# Altium PCB Netscale48HD_Sensorbar_Slave.PcbDoc (part 3 of 3)
Units mm, origin at the board's own origin, x right, y up, seen from the top; angles counter-clockwise.
Board outline 461.31 x 16.8 mm, 6 copper layers (Top Layer, PWR_Layer, Top_Signal_Layer, Bottom_Signal_Layer, GND_Layer, Bottom Layer), stack 0.778 mm thick; 214 components, 131 nets, 657 pads, 295 vias.
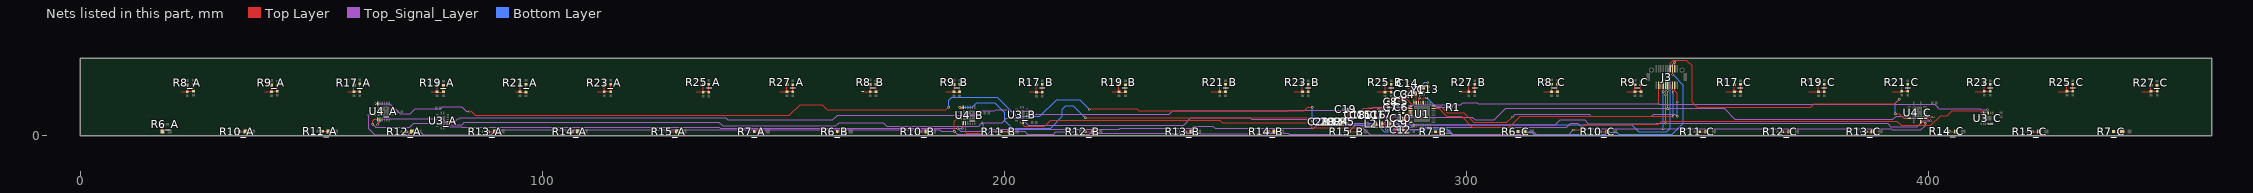
[diagram p7: the nets of this part, all layers, seen from the top]

## Via types
v1: diameter 0.5, hole 0.3, Top Layer to Bottom Layer, tented both sides, 239 vias
v2: diameter 0.6, hole 0.3, Top Layer to Bottom Layer, tented both sides, 24 vias
v3: diameter 0.55, hole 0.3, Top Layer to Bottom Layer, tented both sides, 23 vias
v4: diameter 0.55, hole 0.3, Top Layer to Bottom Layer, tented bottom, 9 vias

## Nets (pads, with @x,y where several pads share a name; then routed paths per layer and width w, separated by ;. In a path a pad name is that pad's centre, name@x,y a point inside that pad or via, vN(x,y) a via of type N, cw(c..) or ccw(c..) an arc to the next point about the centre after c; other vN are vias at no path point) (continued)
LedDataIn_C: U3_B.9 U3_C.14 | length 214.4
  Top Layer w0.152: U3_B.9@204.048,2.923 204.048,2.324 204.251,2.122 208.76,2.122 210.04,3.401 246.591,3.401 247.157,2.835 265.443,2.835 266.47,1.808 v1(277.476,1.808) ; v1(323.118,1.29) 324.507,1.29 325.738,2.521 341.53,2.521 342.226,3.218 393.189,3.218 394.12,2.287 400.532,2.287 402.631,4.386 404.057,4.386 405.164,5.492 411.686,5.492 411.868,5.309 411.868,5.04 411.905,5.003 U3_C.14@411.942,4.966
  Top_Signal_Layer w0.152: v1(277.476,1.808) 277.603,1.808 279.178,0.234 291.533,0.234 291.535,0.233 291.929,0.233 291.93,0.234 294.607,0.234 294.998,0.625 296.577,0.625 296.803,0.398 312.234,0.398 312.656,0.82 314.662,0.82 315.21,0.272 322.1,0.272 v1(323.118,1.29)
LedDataOut_C: U3_C.9
LedLoad_A: J3.3 U3_A.12 U3_B.12 U3_C.12 | length 343.2
  Top Layer w0.152: U3_A.12@79.542,3.05 79.567,3.075 80.876,3.075 v1(80.965,2.986) ; U3_B.12@204.948,4.323 205.713,4.323 v1(206.14,4.75) ; J3.3@341.6,10.95 341.6,6.982 v1@341.667,6.916 ; v1@412.868,5.461 412.868,5.04 U3_C.12@412.942,4.966
  Top_Signal_Layer w0.152: v1(80.965,2.986) 81.663,3.683 81.988,3.683 82.228,3.923 139.702,3.923 140.154,3.471 162.866,3.471 163.895,4.5 193.631,4.5 194.553,5.423 197.913,5.423 198.212,5.721 200.973,5.721 201.382,5.312 205.578,5.312 v1(206.14,4.75) 206.159,4.731 235.698,4.731 236.455,5.488 261.371,5.488 261.458,5.575 274.003,5.575 274.457,5.121 276.942,5.121 277.775,5.955 279.667,5.955 279.881,6.168 287.88,6.168 288.443,6.731 298.814,6.731 299.24,7.156 302.325,7.156 302.565,6.916 v1(341.587,6.916) 341.642,6.86 401.4,6.86 402.059,6.201 402.059,6.146 402.338,5.867 411.19,5.867 411.421,5.637 v1(412.787,5.637)
MISO: J3.15 U1.23 | length 61
  Top Layer w0.152: U1.23@293.146,5.958 294.053,5.958 295.788,4.223 298.936,4.223 301.269,1.891 309.279,1.891 311.656,4.269 344.698,4.269 v1(344.726,4.241) ; J3.15@344.6,10.95 344.6,9.953 344.75,9.803 v1@344.75,9.488
  Bottom Layer w0.152: v1@344.726,4.269 v1(344.726,9.488)
MOSI: J3.17 U1.24 | length 62.2
  Top Layer w0.152: U1.24@293.115,6.458 294.447,6.458 295.878,5.027 299.455,5.027 301.54,2.942 308.766,2.942 v1(309.921,4.098) ; J3.17@345.1,10.95 345.1,9.788 345.611,9.277 v1(345.611,7.336)
  Top_Signal_Layer w0.152: v1(309.921,4.098) 310.52,4.696 326.533,4.696 326.96,4.269 340.05,4.269 340.498,4.717 345.135,4.717 v1(345.611,4.241)
  Bottom Layer w0.152: v1(345.611,4.241) v1(345.611,7.336)
NetC5_2: C5.2 C6.2 FB1.1 U1.2 | length 4.4
  Top Layer w0.152: FB1.1@286.313,5.029 FB1.1@286.313,5.242 ; C6.2@286.313,6.232 FB1.1@286.313,5.242 ; FB1.1@286.326,5.232 FB1.1@286.326,5.255 ; FB1.1@286.326,5.262 FB1.1@286.326,5.255 ; C5.2@286.326,7.417 286.326,6.223 287.005,6.223 287.27,5.958 U1.2@288.165,5.958 ; FB1.1@286.313,5.242 FB1.1@286.326,5.255
NetC7_2: C7.2 C8.2 U1.1 | length 7.6
  Top Layer w0.152: C7.2@283.278,6.246 283.079,6.445 283.079,7.424 283.119,7.464 283.119,7.683 283.379,7.943 287.113,7.943 288.069,6.987 288.069,6.522 288.005,6.458 U1.1@287.915,6.458
NetC9_2: C9.2 C10.2 U1.3 U1.4 | length 3.9
  Top Layer w0.152: C9.2@286.326,2.591 C10.2@286.325,3.81 286.326,4.064 287.22,4.958 U1.4@287.915,4.958 U1.3@287.915,5.458
NetC11_2: C11.2 C16.2 L1.2 L2.1 | length 4.3
  Top Layer w0.152: C11.2@279.243,4.437 279.293,4.437 279.563,4.167 280.384,4.167 280.414,4.167 280.414,2.812 L2.1@280.193,2.591 281.516,2.591 L1.2@281.541,2.616
NetC12_1: C12.1 L1.1 | length 2.9
  Top Layer w0.152: L1.1@283.241,2.591 283.505,2.854 v1(284.02,2.854) ; v1(284.808,1.891) 284.808,1.84 285.275,1.372 C12.1@285.325,1.372
  Bottom Layer w0.152: v1(284.02,2.854) 284.02,2.767 284.808,1.979 v1(284.808,1.891)
NetC12_2: C12.2 U1.5 | length 4.4
  Top Layer w0.152: C12.2@286.325,1.372 286.332,1.365 286.791,1.365 287.113,1.687 287.113,4.297 287.254,4.437 287.894,4.437 U1.5@287.915,4.458
NetC19_2: C19.2 R4.2 R5.1 | length 3.6
  Top Layer w0.152: R4.2@272.974,3.599 R5.1@274.343,3.599 274.379,3.635 274.379,5.808 C19.2@274.34,5.808
NetC20_2: C20.2 C21.2 R2.2 R3.1 R4.1 | length 5.1
  Top Layer w0.152: C21.2@267.986,2.661 268.027,2.62 C20.2@269.145,2.62 270.368,2.62 270.396,2.593 270.402,2.599 R2.2@271.672,2.599 272.831,2.599 272.836,2.604 R4.1@273.069,2.604
NetC31_A_2: C31_A.2 C33_A.2 C34_A.2 R8_A.2 U5_A.1 | length 5.7
  Top Layer w0.152: U5_A.1@21.926,9.563 23.067,9.563 C31_A.2@23.132,9.628 ; C31_A.2@23.132,9.518 C31_A.2@23.132,9.628 ; R8_A.2@23.132,11.02 C31_A.2@23.132,9.628 ; C34_A.2@24.492,11.208 C33_A.2@24.492,9.628 C31_A.2@23.132,9.628
NetC31_B_2: C31_B.2 C33_B.2 C34_B.2 R8_B.2 U5_B.1 | length 5.9
  Top Layer w0.152: U5_B.1@169.333,9.583 172.212,9.583 C33_B.2@172.212,11.135 ; C31_B.2@170.942,9.645 R8_B.2@170.942,11.147
NetC31_C_2: C31_C.2 C33_C.2 C34_C.2 R8_C.2 U5_C.1 | length 6.2
  Top Layer w0.152: U5_C.1@316.728,9.563 318.412,9.563 318.412,9.575 318.428,9.59 R8_C.2@318.428,11.172 ; C31_C.2@318.428,9.579 318.428,9.571 319.698,9.571 C33_C.2@319.698,9.579 C34_C.2@319.698,11.161
NetC32_A_2: C32_A.2 C35_A.2 C36_A.2 R17_A.2 U7_A.1 | length 5.3
  Top Layer w0.152: U7_A.1@57.923,9.563 58.676,9.563 58.683,9.556 C32_A.2@59.212,9.556 ; R17_A.2@59.212,11.02 59.212,9.646 60.482,9.646 C35_A.2@60.482,11.008
NetC32_B_2: C32_B.2 C35_B.2 C36_B.2 R17_B.2 U7_B.1 | length 6
  Top Layer w0.152: U7_B.1@205.325,9.563 206.846,9.563 C32_B.2@206.856,9.573 ; C32_B.2@206.916,9.633 206.927,9.623 R17_B.2@206.927,11.147 ; C32_B.2@206.927,9.503 C35_B.2@208.197,9.503 C36_B.2@208.197,11.135
NetC32_C_2: C32_C.2 C35_C.2 C36_C.2 R17_C.2 U7_C.1 | length 6.2
  Top Layer w0.152: U7_C.1@356.137,9.563 357.906,9.563 C32_C.2@357.992,9.649 ; R17_C.2@357.992,11.147 C32_C.2@357.992,9.649 ; C35_C.2@359.338,11.135 359.338,9.635 359.341,9.632 358.008,9.632 C32_C.2@357.992,9.649
NetC37_A_2: C37_A.2 C38_A.2 C40_A.2 R9_A.2 U6_A.1 | length 5.5
  Top Layer w0.152: U6_A.1@39.921,9.563 41.342,9.563 C37_A.2@41.365,9.54 41.405,9.58 41.445,9.62 C40_A.2@42.635,9.62 42.642,9.627 C38_A.2@42.642,11.008 ; C37_A.2@41.352,9.633 41.365,9.633 R9_A.2@41.365,11.02
NetC37_B_2: C37_B.2 C38_B.2 C40_B.2 R9_B.2 U6_B.1 | length 6.2
  Top Layer w0.152: U6_B.1@187.334,9.563 189.033,9.563 C37_B.2@189.092,9.623 ; C37_B.2@189.092,9.553 C37_B.2@189.092,9.623 ; R9_B.2@189.092,11.122 189.092,9.644 189.081,9.633 C37_B.2@189.092,9.623 ; C38_B.2@190.311,11.11 190.311,9.648 190.151,9.488 189.226,9.488 C37_B.2@189.092,9.623
NetC37_C_2: C37_C.2 C38_C.2 C40_C.2 R9_C.2 U6_C.1 | length 6
  Top Layer w0.152: U6_C.1@334.724,9.573 336.445,9.573 C37_C.2@336.485,9.533 C37_C.2@336.485,9.623 ; R9_C.2@336.485,11.071 C37_C.2@336.485,9.623 ; C38_C.2@337.755,11.059 337.755,9.623 C37_C.2@336.485,9.623
NetC39_A_2: C39_A.2 C42_A.2 C43_A.2 R19_A.2 U9_A.1 | length 5.9
  Top Layer w0.152: U9_A.1@75.927,9.573 C39_A.2@77.13,9.573 ; C39_A.2@77.202,9.526 C39_A.2@77.202,9.646 ; R19_A.2@77.242,11.02 77.242,9.685 C39_A.2@77.202,9.646 ; C43_A.2@78.593,11.008 78.593,9.632 78.448,9.488 77.045,9.488 C39_A.2@77.13,9.573 ; C39_A.2@77.13,9.573 C39_A.2@77.202,9.646
NetC39_B_2: C39_B.2 C42_B.2 C43_B.2 R19_B.2 U9_B.1 | length 5.8
  Top Layer w0.152: U9_B.1@223.322,9.573 224.756,9.573 C39_B.2@224.791,9.538 224.794,9.541 224.899,9.541 224.951,9.488 226.199,9.488 C42_B.2@226.199,10.907 ; C39_B.2@224.788,9.651 R19_B.2@224.788,11.072
NetC39_C_2: C39_C.2 C42_C.2 C43_C.2 R19_C.2 U9_C.1 | length 6.5
  Top Layer w0.152: U9_C.1@374.124,9.573 376.16,9.573 C39_C.2@376.194,9.607 ; C39_C.2@376.194,9.537 C39_C.2@376.194,9.607 ; R19_C.2@376.194,11.172 376.194,9.633 C39_C.2@376.207,9.62 ; C43_C.2@377.464,11.161 377.464,9.607 376.22,9.607 C39_C.2@376.207,9.62 ; C39_C.2@376.194,9.607 C39_C.2@376.207,9.62
NetC46_A_2: C46_A.2 C49_A.2 C50_A.2 R21_A.2 U11_A.1 | length 5.3
  Top Layer w0.152: U11_A.1@94.146,9.563 95.131,9.563 C46_A.2@95.166,9.528 95.19,9.504 C49_A.2@96.436,9.504 ; R21_A.2@95.173,11.126 95.166,11.132 R21_A.2@95.166,11.02 95.166,9.648 C46_A.2@95.19,9.624 ; C49_A.2@96.436,9.624 96.436,11.008 C50_A.2@96.436,11.126
NetC46_B_2: C46_B.2 C49_B.2 C50_B.2 R21_B.2 U11_B.1 | length 6.2
  Top Layer w0.152: U11_B.1@244.732,9.573 246.526,9.573 246.593,9.64 R21_B.2@246.593,11.147 ; C46_B.2@246.593,9.57 247.863,9.57 C49_B.2@247.863,11.135
NetC46_C_2: C46_C.2 C49_C.2 C50_C.2 R21_C.2 U11_C.1 | length 6.4
  Top Layer w0.152: U11_C.1@392.132,9.573 394.169,9.573 394.229,9.633 C46_C.2@394.233,9.629 ; R21_C.2@394.233,11.147 C46_C.2@394.233,9.629 ; C49_C.2@395.503,11.135 C50_C.2@395.503,9.658 394.262,9.658 C46_C.2@394.233,9.629
NetC53_A_2: C53_A.2 C56_A.2 C57_A.2 R23_A.2 U13_A.1 | length 5.6
  Top Layer w0.152: U13_A.1@111.924,9.563 113.403,9.563 C53_A.2@113.413,9.574 ; R23_A.2@113.413,11.02 113.413,9.644 114.79,9.644 114.795,9.649 C57_A.2@114.795,11.008
NetC53_B_2: C53_B.2 C56_B.2 C57_B.2 R23_B.2 U13_B.1 | length 6.3
  Top Layer w0.152: U13_B.1@262.724,9.573 264.445,9.573 264.495,9.623 R23_B.2@264.495,11.147 ; C53_B.2@264.495,9.553 C57_B.2@265.765,9.553 265.835,9.553 265.759,9.629 265.759,11.141 C56_B.2@265.765,11.135
NetC53_C_2: C53_C.2 C56_C.2 C57_C.2 R23_C.2 U13_C.1 | length 6.3
  Top Layer w0.152: U13_C.1@410.122,9.573 412.032,9.573 C53_C.2@412.083,9.625 ; R23_C.2@412.092,11.147 412.083,11.138 C53_C.2@412.083,9.625 ; C56_C.2@413.362,11.135 C57_C.2@413.362,9.648 412.107,9.648 C53_C.2@412.083,9.625
NetC60_A_2: C60_A.2 C63_A.2 C64_A.2 R25_A.2 U15_A.1 | length 5.7
  Top Layer w0.152: U15_A.1@133.33,9.563 C60_A.2@134.758,9.563 ; C60_A.2@134.839,9.484 134.839,9.563 134.799,9.603 C60_A.2@134.839,9.644 ; R25_A.2@134.839,11.147 C60_A.2@134.839,9.644 ; C63_A.2@136.007,11.008 136.007,9.644 C60_A.2@134.839,9.644
NetC60_B_2: C60_B.2 C63_B.2 C64_B.2 R25_B.2 U15_B.1 | length 6.1
  Top Layer w0.152: U15_B.1@280.734,9.573 282.329,9.573 C60_B.2@282.389,9.633 ; R25_B.2@282.399,11.147 282.399,11.186 282.389,11.195 C60_B.2@282.389,9.634 ; C64_B.2@283.72,11.135 283.72,9.633 C60_B.2@282.389,9.633
NetC60_C_2: C60_C.2 C63_C.2 C64_C.2 R25_C.2 U15_C.1 | length 6
  Top Layer w0.152: U15_C.1@428.127,9.573 429.912,9.573 C60_C.2@429.971,9.632 ; R25_C.2@429.971,11.147 C60_C.2@429.971,9.632 ; C63_C.2@431.241,11.008 C64_C.2@431.241,9.632 C60_C.2@429.971,9.632
NetC67_A_2: C67_A.2 C70_A.2 C71_A.2 R27_A.2 U17_A.1 | length 5.9
  Top Layer w0.152: U17_A.1@151.334,9.573 152.934,9.573 C67_A.2@152.942,9.581 C67_A.2@152.942,9.621 ; R27_A.2@152.942,11.122 C67_A.2@152.942,9.621 ; C71_A.2@154.187,11.11 154.187,9.621 C67_A.2@152.942,9.621
NetC67_B_2: C67_B.2 C70_B.2 C71_B.2 R27_B.2 U17_B.1 | length 6.1
  Top Layer w0.152: U17_B.1@298.724,9.583 300.451,9.583 C67_B.2@300.481,9.614 ; C67_B.2@300.516,9.579 300.516,9.6 C67_B.2@300.541,9.624 ; R27_B.2@300.516,11.147 300.516,9.649 C67_B.2@300.541,9.624 ; C71_B.2@301.786,11.135 301.786,9.6 300.565,9.6 300.551,9.614 C67_B.2@300.541,9.624
NetC67_C_2: C67_C.2 C70_C.2 C71_C.2 R27_C.2 U17_C.1 | length 6.2
  Top Layer w0.152: U17_C.1@446.135,9.573 448.122,9.573 C67_C.2@448.177,9.628 ; R27_C.2@448.163,11 448.163,9.643 C67_C.2@448.177,9.628 ; C71_C.2@449.48,11 C71_C.2@449.488,11.008 449.488,9.65 C70_C.2@449.51,9.628 C67_C.2@448.177,9.628
NetLED1_A_2: LED1_A.2 R6_A.2 | length 1.6
  Top Layer w0.152: LED1_A.2@17.749,0.95 17.749,2.391 R6_A.2@17.872,2.514
NetLED1_B_2: LED1_B.2 R6_B.2 | length 1.4
  Top Layer w0.152: R6_B.2@163.798,0.95 LED1_B.2@165.148,0.95
NetLED1_C_2: LED1_C.2 R6_C.2 | length 1.4
  Top Layer w0.152: R6_C.2@311.161,0.945 311.167,0.95 LED1_C.2@312.552,0.95
NetLED2_A_2: LED2_A.2 R10_A.2 | length 1.3
  Top Layer w0.152: R10_A.2@34.444,0.95 LED2_A.2@35.744,0.95
NetLED2_B_2: LED2_B.2 R10_B.2 | length 1.4
  Top Layer w0.152: R10_B.2@181.712,0.95 LED2_B.2@183.111,0.95
NetLED2_C_2: LED2_C.2 R10_C.2 | length 1.6
  Top Layer w0.152: R10_C.2@328.937,0.915 330.515,0.915 LED2_C.2@330.55,0.95
NetLED3_A_2: LED3_A.2 R11_A.2 | length 1.3
  Top Layer w0.152: R11_A.2@52.44,1.029 LED3_A.2@53.74,1.029
NetLED3_B_2: LED3_B.2 R11_B.2 | length 1.8
  Top Layer w0.152: R11_B.2@199.304,0.95 LED3_B.2@201.148,0.95
NetLED3_C_2: LED3_C.2 R11_C.2 | length 1.6
  Top Layer w0.152: R11_C.2@350.417,0.889 350.478,0.95 LED3_C.2@351.95,0.95
NetLED4_A_2: LED4_A.2 R12_A.2 | length 1.2
  Top Layer w0.152: R12_A.2@70.56,0.92 71.719,0.92 LED4_A.2@71.749,0.95
NetLED4_B_2: LED4_B.2 R12_B.2 | length 1.7
  Top Layer w0.152: R12_B.2@217.447,0.934 219.134,0.934 LED4_B.2@219.15,0.95
NetLED4_C_2: LED4_C.2 R12_C.2 | length 1.6
  Top Layer w0.152: R12_C.2@368.395,0.889 369.889,0.889 LED4_C.2@369.95,0.95
NetLED5_A_2: LED5_A.2 R13_A.2 | length 1.6
  Top Layer w0.152: R13_A.2@88.23,0.875 88.216,0.889 88.277,0.95 LED5_A.2@89.74,0.95
NetLED5_B_2: LED5_B.2 R13_B.2 | length 1.5
  Top Layer w0.152: R13_B.2@239.077,0.934 240.539,0.934 LED5_B.2@240.555,0.95
NetLED5_C_2: LED5_C.2 R13_C.2 | length 1.5
  Top Layer w0.152: R13_C.2@386.504,0.889 387.889,0.889 LED5_C.2@387.95,0.95
NetLED6_A_2: LED6_A.2 R14_A.2 | length 1.3
  Top Layer w0.152: R14_A.2@106.463,0.95 LED6_A.2@107.746,0.95
NetLED6_B_2: LED6_B.2 R14_B.2 | length 1.4
  Top Layer w0.152: R14_B.2@257.129,0.934 258.482,0.934 LED6_B.2@258.497,0.95
NetLED6_C_2: LED6_C.2 R14_C.2 | length 1.5
  Top Layer w0.152: R14_C.2@404.47,1 404.52,0.95 LED6_C.2@405.945,0.95
NetLED7_A_2: LED7_A.2 R15_A.2 | length 1.3
  Top Layer w0.152: R15_A.2@127.808,0.95 LED7_A.2@129.128,0.95
NetLED7_B_2: LED7_B.2 R15_B.2 | length 2
  Top Layer w0.152: R15_B.2@274.59,0.96 274.6,0.95 LED7_B.2@276.55,0.95
NetLED7_C_2: LED7_C.2 R15_C.2 | length 1.6
  Top Layer w0.152: R15_C.2@422.39,0.95 LED7_C.2@423.951,0.95
NetLED8_A_2: LED8_A.2 R7_A.2 | length 1.3
  Top Layer w0.152: R7_A.2@145.838,0.95 LED8_A.2@147.169,0.95
NetLED8_B_2: LED8_B.2 R7_B.2 | length 1.2
  Top Layer w0.152: R7_B.2@293.335,0.892 294.517,0.892 LED8_B.2@294.54,0.915
NetLED8_C_2: LED8_C.2 R7_C.2 | length 1.9
  Top Layer w0.152: R7_C.2@440.038,0.95 LED8_C.2@441.95,0.95
NetR1_1: R1.1 U1.28 | length 7.9
  Top Layer w0.152: U1.28@290.64,7.183 290.64,8.132 290.734,8.226 v1(291.408,8.226) ; v1(295.744,6.232) 296.69,6.232 R1.1@296.699,6.223
  Bottom Layer w0.152: v1(291.408,8.226) 293.431,6.204 295.716,6.204 v1(295.744,6.232)
OE1: J3.18 U4_A.7 | length 311.5
  Top Layer w0.152: v1(63.862,7.016) 64.333,7.016 U4_A.7@64.342,7.025 ; v1(84.137,5.304) 84.573,5.304 85.432,4.444 153.43,4.444 155.779,6.794 160.531,6.794 161.688,5.637 187.353,5.637 v1(187.939,6.223) ; v1(218.382,5.74) 218.528,5.886 228.704,5.886 229.103,5.488 264.896,5.488 265.64,6.232 266.562,6.232 v1(266.602,6.193) ; J3.18@345.1,14.55 345.104,14.554 345.104,15.912 v1(345.109,15.916)
  Top_Signal_Layer w0.152: v1(63.862,7.016) 67.018,7.016 69.229,4.805 71.38,4.805 72.499,5.924 78.042,5.924 78.445,6.327 82.533,6.327 83.555,5.304 v1(84.137,5.304)
  Bottom Layer w0.152: v1(187.939,6.223) 187.939,7.776 188.564,8.401 196.235,8.401 196.26,8.376 198.42,8.376 202.586,4.211 207.704,4.211 211.317,7.823 216.299,7.823 v1(218.382,5.74) ; v1(266.602,6.193) 266.602,4.239 268.198,2.643 281.998,2.643 282.688,3.333 284.368,3.333 285.305,2.396 335.815,2.396 337.265,0.946 343.326,0.946 344.08,1.701 344.08,12.924 343.894,13.11 343.894,14.701 v1(345.109,15.916)
OE2: J3.16 U4_B.7 | length 181.7
  Top Layer w0.152: v1@190.311,6.03 191.028,6.03 191.092,6.093 U4_B.7@191.092,6.212 ; v1(217.48,3.937) 265.856,3.937 v1(266.602,3.191) ; J3.16@344.604,14.554 J3.16@344.6,14.55 344.604,14.546 344.604,13.314 v1(344.608,13.31)
  Bottom Layer w0.152: v1(190.311,6.223) 193.035,6.223 194,7.188 194.63,7.188 194.642,7.176 197.926,7.176 200.065,5.037 200.065,3.323 201.68,1.708 209.987,1.708 212.552,4.272 212.552,5.743 213.295,6.486 214.931,6.486 v1(217.48,3.937) ; v1(266.602,3.191) 267.508,2.284 280.877,2.284 282.266,0.895 286.175,0.895 286.67,1.391 290.726,1.391 290.922,1.588 295.791,1.588 297.036,0.342 312.073,0.342 312.619,0.889 314.086,0.889 314.562,0.413 330.118,0.413 330.522,0.817 332.515,0.817 332.919,0.413 344.575,0.413 346.949,2.786 346.949,10.97 v1(344.608,13.31)
OE3: J3.14 U4_C.7 | length 67.5
  Top Layer w0.152: J3.14@344.1,14.55 344.1,15.766 344.726,16.392 347.611,16.392 348.853,15.151 348.853,7.29 349.917,6.226 374.527,6.226 375.257,6.957 392.701,6.957 393.58,7.837 v1@393.681,7.837 ; v1(392.827,4.818) 393.681,4.818 394.681,3.818 U4_C.7@395.843,3.818
  Bottom Layer w0.152: v1(392.827,4.818) 392.827,7.084 v1(393.694,7.95)
OSCIN: C14.2 U1.31 Y1.3 | length 4.8
  Top Layer w0.152: C14.2@287.276,10.853 287.309,10.82 287.309,10.473 287.698,10.084 287.774,10.084 288.587,9.271 Y1.3@288.732,9.271 ; Y1.3@288.587,9.27 Y1.3@288.687,9.27 ; Y1.3@288.716,9.27 289.14,8.847 U1.31@289.14,7.183 U1.31@289.076,7.247
OSCOUT: C13.2 U1.30 Y1.1 | length 7.9
  Top Layer w0.152: U1.30@289.64,7.183 289.64,7.844 289.928,8.132 v1(289.928,8.226) ; Y1.1@290.387,10.57 290.387,10.598 291.64,10.598 v1(291.64,11.584)
  Bottom Layer w0.152: v1(289.928,8.226) 289.928,10.491 291.021,11.584 v1(291.64,11.584)
RX1: C16.1 C17.2 U1.8 | length 14.6
  Top Layer w0.152: C16.1@280.384,5.027 281.527,5.027 281.437,5.118 281.437,5.383 281.173,5.647 v1(281.021,5.647) ; v1@283.001,5.353 283.001,4.615 284.496,3.12 284.496,2.584 284.331,2.42 284.331,1.22 284.902,0.649 286.493,0.649 287.743,1.899 287.743,2.117 287.771,2.145 287.771,2.942 287.99,2.942 288.007,2.958 U1.8@288.165,2.958
  Top_Signal_Layer w0.152: v1(281.021,5.647) 282.746,5.647 282.907,5.486 v1(283.001,5.486)
RX2: C15.1 C18.2 U1.9 | length 17.7
  Top Layer w0.152: C18.2@275.937,5.027 277.08,5.027 C15.1@277.08,5.115 277.919,5.955 278.724,5.955 278.893,6.124 281.821,6.124 282.391,5.553 282.391,1.679 v1(282.699,1.372) ; v1(288.219,1.92) 288.219,1.932 U1.9@288.521,2.233
  Bottom Layer w0.152: v1(282.699,1.372) 285.738,1.372 286.287,1.92 v1(288.219,1.92)
S01_A: J3.11 U4_A.11 U4_B.11 U4_C.11 | length 360.7
  Top Layer w0.152: v1@64.307,2.515 64.842,3.05 U4_A.11@64.842,3.575 ; U4_B.11@191.592,2.762 191.592,0.818 191.785,0.625 195.15,0.625 195.415,0.889 v1(195.463,0.889) ; v1(343.596,9.843) 343.602,9.849 343.602,10.948 J3.11@343.6,10.95 ; U4_C.11@399.293,4.318 399.306,4.306 400.417,4.306 400.608,4.114 v1(401.088,4.114)
  Top_Signal_Layer w0.152: v1@64.307,2.515 65.475,3.683 78.323,3.683 79.559,2.448 82.611,2.448 83.144,2.98 138.221,2.98 139.021,2.18 163.51,2.18 164.204,2.873 173.78,2.873 174.53,2.123 194.4,2.123 v1(195.15,2.873) 199.514,2.873 200.44,3.799 203.674,3.799 205.114,2.36 238.793,2.36 240.347,3.913 253.263,3.913 253.58,3.596 265.465,3.596 265.782,3.913 267.016,3.913 267.271,3.659 275.516,3.659 276.056,4.199 289.06,4.199 289.161,4.098 301.231,4.098 301.87,3.458 306.038,3.458 308.53,5.95 343.533,5.95 v1(343.575,5.908) 343.617,5.95 355.767,5.95 358.117,3.6 392.317,3.6 393.003,4.286 394.754,4.286 395.23,3.81 398.55,3.81 398.854,4.114 v1(401.088,4.114)
  Bottom Layer w0.152: v1(195.15,2.873) 195.463,2.56 v1(195.463,0.889) ; v1(343.575,5.908) 343.596,5.929 v1(343.596,9.843)
  other v1: 64.307,2.4
S02_A: J3.9 U4_A.10 U4_B.10 U4_C.10 | length 355.1
  Top Layer w0.152: v1(63.288,2.511) 63.288,3.264 63.599,3.575 U4_A.10@64.342,3.575 ; v1@190.874,1.626 191.092,1.844 U4_B.10@191.092,2.762 ; v1(343.1,8.941) J3.9@343.1,10.95 ; U4_C.10@399.293,3.818 399.578,3.818 400.014,3.382 400.388,3.382 v1(400.455,3.316)
  Top_Signal_Layer w0.152: v1(63.288,2.511) 63.969,1.83 71.302,1.83 72.173,2.701 77.945,2.701 78.62,2.026 82.392,2.026 82.572,1.846 138.256,1.846 138.477,1.626 189.889,1.626 190.499,1.016 194.916,1.016 195.393,1.492 224.907,1.492 225.091,1.676 240.551,1.676 240.973,2.098 245.14,2.098 245.616,1.622 266.905,1.622 267.989,2.706 279.761,2.706 280.098,2.37 287.996,2.37 288.022,2.396 288.417,2.396 288.443,2.37 319.22,2.37 320.309,3.458 325.589,3.458 326.381,2.667 341.143,2.667 341.218,2.742 v1(343.1,2.742) 391.163,2.742 391.891,2.015 393.459,2.015 393.46,2.016 397.618,2.016 398.918,3.316 v1(400.455,3.316)
  Bottom Layer w0.152: v1@189.889,1.626 v1(189.889,1.624) v1(190.874,1.624) v1@190.874,1.626 ; v1(343.1,2.742) 343.099,2.743 343.099,8.94 v1(343.1,8.941)
S03_A: J3.7 U4_A.9 U4_B.9 U4_C.9 | length 361.5
  Top Layer w0.152: v1(62.41,4.526) 62.434,4.55 U4_A.9@63.617,4.55 ; v1(189.173,1.016) 189.173,3.216 189.694,3.737 U4_B.9@190.367,3.737 ; v1(342.6,9.566) J3.7@342.6,10.95 ; U4_C.9@398.318,3.093 398.962,3.093 v1(399.292,2.763)
  Top_Signal_Layer w0.152: v1(62.41,4.526) 62.41,4.482 62.418,4.474 62.418,1.509 63.692,0.235 70.952,0.235 71.54,0.824 73.674,0.824 74.263,0.235 88.926,0.235 90,1.309 169.475,1.309 169.49,1.294 186.033,1.294 186.311,1.016 v1(189.173,1.016) 189.776,0.413 196.392,0.413 196.955,0.976 204.395,0.976 204.97,0.401 210.663,0.401 211.151,0.889 215.296,0.889 215.827,0.406 218.32,0.406 218.538,0.625 242.051,0.625 242.218,0.458 256.589,0.458 256.755,0.625 261.385,0.625 261.622,0.388 274.048,0.388 275.944,2.284 278.758,2.284 279.195,1.848 284.177,1.848 284.619,1.406 290.509,1.406 290.95,1.848 321.671,1.848 322.565,2.742 324.139,2.742 325.366,1.515 v1(342.6,1.515) 391.963,1.515 392.156,1.322 398.384,1.322 399.292,2.23 v1(399.292,2.763)
  Bottom Layer w0.152: v1(342.6,1.515) v1(342.6,9.566)
VDD-X: C3.2 C4.2 U1.32 | length 3.7
  Top Layer w0.152: C3.2@285.871,8.554 287.211,8.554 287.196,8.539 C4.2@287.291,8.539 287.847,8.539 288.254,8.132 288.261,8.132 288.64,7.753 U1.32@288.64,7.183
pads on no net: C1.0 C2.0 C3.0 C4.0 C5.0 C6.0 C7.0 C8.0 C9.0 C10.0 C11.0 C12.0 C13.0 C14.0 C15.0 C16.0 C17.0 C18.0 C19.0 C20.0 C21.0 J3.21 J3.22 J3.23 J3.24 L1.0 L2.0 R1.0 R2.0 R3.0 R4.0 R5.0 R6_A.0 R6_B.0 R6_C.0 R7_A.0 R7_B.0 R7_C.0 R8_A.0 R8_B.0 R8_C.0 R9_A.0 R9_B.0 R9_C.0 R10_A.0 R10_B.0 R10_C.0 R11_A.0 R11_B.0 R11_C.0 R12_A.0 R12_B.0 R12_C.0 R13_A.0 R13_B.0 R13_C.0 R14_A.0 R14_B.0 R14_C.0 R15_A.0 R15_B.0 R15_C.0 R17_A.0 R17_B.0 R17_C.0 R19_A.0 R19_B.0 R19_C.0 R21_A.0 R21_B.0 R21_C.0 R23_A.0 R23_B.0 R23_C.0 R25_A.0 R25_B.0 R25_C.0 R27_A.0 R27_B.0 R27_C.0 U1.12 U1.14 U1.20 U1.22 U1.27 U4_A.6 U4_B.6 U4_C.6
copper on no net:
  other v2: 18.549,9.556 36.544,9.556 54.546,9.556 72.55,9.566 90.546,9.556 108.547,9.556 129.953,9.556 147.957,9.566 165.956,9.576 183.957,9.556 201.948,9.556 219.945,9.566 241.355,9.566 259.347,9.566 277.357,9.566 313.352,9.556 331.347,9.566 352.76,9.556 370.747,9.566 388.755,9.566 406.745,9.566 424.751,9.566 442.758,9.566 295.34,9.622

## Polygon pours and split planes (outlines as drawn)
GND on Top Layer "Top Layer" (solid, pour order 12): 0.292,0 0.3,16.562 14.635,16.562 14.635,6.527 113.413,6.461 113.413,16.562 125.261,16.545 125.261,6.454 224.488,6.591 224.488,16.562 237.54,16.562 237.54,6.609 336.185,6.609 336.185,16.562 349.415,16.562 349.415,6.609 447.624,6.609 447.624,16.545 461.301,16.545 461.301,0
3V3 on PWR_Layer "Power_Plane" (solid, pour order 20): 0.306,16.707 14.641,16.707 14.641,6.671 14.706,6.606 113.419,6.606 113.419,16.707 113.437,16.689 125.267,16.689 125.267,6.598 125.405,6.736 224.494,6.736 224.494,16.707 237.546,16.707 237.546,6.754 336.191,6.754 336.191,16.707 349.421,16.707 349.421,6.754 349.422,6.754 447.63,6.754 447.63,16.689 461.307,16.689 461.307,0.144 0.299,0.144 0.299,16.7
GND on Top_Signal_Layer "Top_Signal_Layer" (solid, pour order 24): 0.299,0.001 0.299,16.578 14.495,16.578 14.496,6.666 113.373,6.666 113.373,16.495 125.029,16.495 125.029,6.666 224.5,6.666 224.5,16.578 237.608,16.578 237.608,6.666 336.152,6.666 336.152,16.578 349.461,16.578 349.461,6.666 447.638,6.666 447.638,16.583 461.301,16.565 461.301,0
GND on Bottom_Signal_Layer "Bottom_Signal_Layer" (solid, pour order 30): 14.426,16.332 14.426,6.766 113.674,6.766 113.674,16.47 125.294,16.47 125.294,6.766 224.558,6.679 224.558,16.555 237.607,16.555 237.593,6.667 336.118,6.664 336.118,16.555 349.48,16.555 349.48,6.664 447.495,6.664 447.495,16.555 461.301,16.555 461.301,0 0.292,-0.018 0.3,16.332
GND on Bottom Layer "Bottom Layer" (solid, pour order 50): 0.299,0 0.299,16.8 14.426,16.8 14.426,6.617 113.408,6.617 113.408,16.8 125.359,16.8 125.359,6.617 224.615,6.617 224.615,16.8 237.397,16.8 237.397,6.617 336.124,6.617 336.124,16.8 349.255,16.8 349.255,6.617 447.481,6.617 447.481,16.8 461.301,16.8 461.301,0 438.161,0 421.976,0 405.32,0 388.75,0 372.018,0 355.532,0 250.189,0 245.711,0 0.506,0
GND on GND_Layer "GND_Layer-GND" (solid, pour order 64): 0.299,16.707 14.634,16.707 14.634,6.671 113.347,6.671 113.412,6.606 113.412,16.707 125.243,16.707 125.26,16.689 125.26,6.598 224.349,6.598 224.487,6.736 224.487,16.707 237.539,16.707 237.539,6.754 336.184,6.754 336.184,16.707 349.414,16.707 349.414,6.754 447.623,6.754 447.623,16.689 461.3,16.689 461.3,0.144 0.299,0.144

## Keep-outs
Keep-Out Layer:
  circle w0.013: c380.05,5 r1
  circle w0.013: c304.45,5 r1
  circle w0.013: c156.852,4.992 r1
  circle w0.013: c81.25,5 r1
  lines w0.013: 0,16.798 461.3,16.798 461.3,0 0,0 0,16.8 ; 0.299,0 24.461,0 ; 25.593,0 40.811,0 ; 41.943,0 57.161,0 ; 58.293,0 73.511,0 ; 74.643,0 89.861,0 ; 90.993,0 106.211,0 ; 107.343,0 134.861,0 ; 135.993,0 151.211,0 ; 152.343,0 167.561,0 ; 168.693,0 183.911,0 ; 185.043,0 200.261,0 ; 201.393,0 216.611,0 ; 217.743,0 245.261,0 ; 246.393,0 261.611,0 ; 262.743,0 277.961,0 ; 279.093,0 294.311,0 ; 295.443,0 310.661,0 ; 311.793,0 327.011,0 ; 328.143,0 355.661,0 ; 356.793,0 372.011,0 ; 373.143,0 388.361,0 ; 389.493,0 445.229,0

## Silkscreen, mask and mechanical layers (free items; w line width, h text height)
Top Overlay:
  lines w0.1: 285.593,10.458 285.92,10.131 ; 286.337,10.352 286.337,10.461 ; 286.337,10.356 286.596,10.098 286.596,9.804 ; 286.614,9.782 286.696,9.7 ; 286.991,5.707 287.196,5.481 287.196,5.42
  lines w0.102: 286.493,0.466 286.495,0.465 286.741,0.638 287.055,0.638 ; 291.443,1.423 291.7,1.681 292.541,1.681 ; 293.49,1.458 293.49,1.66 293.49,1.916 293.618,2.044 293.832,2.044
  text "1" at 340.885,9.498 h0.4 r270
  text "PCB version 0.2" at 446.008,0.466 h0.6
Bottom Overlay:
  text "PCB version 0.2" at 460.932,0.539 h0.6
Antenna_Dimensions:
  lines w0.01: 0,-8.281 0,17.371 ; 0,16.299 461.595,16.299 ; 18.55,-6.682 18.55,11.659 442.75,11.659 ; 36.55,-1.196 36.55,11.659 ; 54.55,-5.315 54.55,11.659 ; 72.55,-5.355 72.55,11.619 ; 90.55,-2.516 90.55,11.659 ; 108.55,-2.357 108.55,11.659 ; 129.95,-2.475 129.95,11.659 ; 147.95,-2.554 147.95,11.659 ; 165.95,-2.274 165.95,11.659 ; 183.95,-2.711 183.95,11.659 ; 201.95,-2.835 201.95,11.659 ; 219.95,-3.835 219.95,11.659 ; 230.954,-3.298 230.954,24 ; 241.35,-2.821 241.35,11.659 ; 259.35,-3.189 259.35,11.659 ; 277.35,-2.618 277.35,11.659 ; 295.35,-3.85 295.35,11.659 ; 313.35,-2.821 313.35,11.659 ; 331.35,-2.454 331.35,11.659 ; 341.35,12.75 345.35,12.75 ; 343.35,0 343.35,46.588 ; 352.75,-2.339 352.75,11.659 ; 370.75,-2.674 370.75,11.659 ; 388.75,-3.127 388.75,11.659 ; 406.75,-2.434 406.75,11.659 ; 424.75,-2.501 424.75,11.659 ; 442.75,-3.04 442.75,11.659 ; 442.75,11.339 442.75,11.659
Antenna_Position:
  drawing of 353 lines, arcs and shapes, not listed
  text "1" at 19.623,5.812 h0.8
  text "2" at 37.589,5.812 h0.8
  text "3" at 55.378,5.812 h0.8
  text "4" at 73.41,5.812 h0.8
  text "5" at 91.108,5.812 h0.8
  text "6" at 109.363,5.812 h0.8
  text "8" at 148.856,5.812 h0.8
  text "9" at 166.708,5.812 h0.8
  text "10" at 185.138,5.812 h0.8
  text "11" at 202.683,5.812 h0.8
  text "12" at 220.708,5.812 h0.8
  text "13" at 242.307,5.812 h0.8
  text "14" at 260.458,5.812 h0.8
  text "15" at 278.756,5.812 h0.8
  text "16" at 296.302,5.812 h0.8
  text "17" at 314.286,5.812 h0.8
  text "18" at 332.458,5.812 h0.8
  text "19" at 353.908,5.812 h0.8
  text "20" at 372.124,5.812 h0.8
  text "21" at 390.045,5.812 h0.8
  text "22" at 407.653,5.812 h0.8
  text "23" at 425.897,5.812 h0.8
  text "24" at 443.908,5.812 h0.8
  text "7" at 131.248,5.712 h0.8
Drill_Hole_Dimensions:
  circle w0.013: c380.05,5 r1
  circle w0.013: c304.45,5 r1
  circle w0.013: c304.45,5 r1
  circle w0.013: c81.25,5 r1
  circle w0.013: c81.25,5 r1
  circle w0.013: c156.85,5 r1
  lines w0.01: 0,16.799 0,0 17.985,-0.001 cw(c18.55,-0.201) 19.115,0 35.985,-0.001 ; 0.292,16.799 461.3,16.799 461.3,0 443.315,0 ; 35.984,-0.001 cw(c36.55,-0.201) 37.115,0 53.96,0 cw(c54.55,-0.201) 55.139,0.003 ; 55.139,0 71.985,0 ; 71.984,-0.001 cw(c72.55,-0.201) 73.116,-0.001 ; 73.115,0 89.984,-0.001 cw(c90.55,-0.201) 91.116,-0.001 107.985,0 cw(c108.55,-0.201) 109.116,-0.001 129.384,-0.001 cw(c129.95,-0.201) 130.516,-0.001 ; 130.515,0 147.384,-0.001 cw(c147.95,-0.201) 148.516,-0.001 ; 148.515,0 165.384,-0.001 cw(c165.95,-0.201) 166.516,-0.001 ; 166.515,0 183.384,-0.001 cw(c183.95,-0.201) 184.516,-0.001 ; 184.516,0 201.384,-0.001 cw(c201.95,-0.201) 202.516,-0.001 ; 202.515,0 219.385,0 ; 219.384,-0.001 cw(c219.95,-0.201) 220.516,-0.001 ; 220.515,0 240.784,-0.001 cw(c241.35,-0.201) 241.916,-0.001 ; 241.915,0 258.784,-0.001 cw(c259.35,-0.201) 259.916,-0.001 ; 259.915,0 276.784,-0.001 cw(c277.35,-0.201) 277.916,-0.001 ; 277.915,0 294.784,-0.001 cw(c295.35,-0.201) 295.916,-0.001 ; 295.915,0 312.785,-0.001 cw(c313.35,-0.201) 313.916,-0.001 330.784,-0.001 cw(c331.35,-0.201) 331.916,-0.001 ; 331.915,0 352.184,-0.001 cw(c352.75,-0.201) 353.316,-0.001 ; 353.315,0 370.184,0 ; 370.184,-0.001 cw(c370.75,-0.201) 371.316,-0.001 ; 371.315,0 388.184,-0.001 cw(c388.75,-0.201) 389.316,-0.001 ; 389.316,0 406.195,-0.001 ; 406.195,0.003 cw(c406.75,-0.201) 407.305,0.003 ; 407.305,0 424.195,-0.001 ; 424.195,0.003 cw(c424.75,-0.201) 425.305,0.003 ; 425.305,0 442.185,-0.001 cw(c442.75,-0.201) 443.316,-0.001
  lines w0.013: 76.25,5 86.25,5 ; 81.25,0.037 81.25,10.037 ; 151.85,5 161.85,5 ; 156.85,0.037 156.85,10.037 ; 299.45,5 309.45,5 ; 304.45,0.037 304.45,10.037 ; 375.05,5 385.05,5 ; 380.05,0.037 380.05,10.037
  lines w0.025: 40.604,23.071 40.604,23.071 ; 40.604,23.108 40.604,23.108
Board_Cut_Outs:
  circle w0.013: c380.05,5 r1
  circle w0.013: c81.25,5 r1
  circle w0.013: c304.45,5 r1
  circle w0.013: c156.85,5 r1
  lines w0.01: 294.786,0 295.914,0 ; 294.786,0.002 cw(c295.35,-0.202) 295.914,0.002 ; 424.194,0 cw(c424.75,-0.202) 425.306,0 424.194,0 ; 17.985,0 cw(c18.55,-0.202) 19.115,0 17.985,0 ; 35.985,0.001 cw(c36.55,-0.202) 37.115,0 35.985,0 ; 53.96,0.001 cw(c54.55,-0.202) 55.14,0 53.96,0 ; 71.985,0 cw(c72.55,-0.202) 73.115,0 71.985,0 ; 89.985,0 cw(c90.55,-0.202) 91.115,0.001 89.985,0 ; 107.985,0 cw(c108.55,-0.202) 109.115,0 107.985,0 ; 129.385,0 cw(c129.95,-0.202) 130.515,0.001 129.385,0 ; 147.385,0.001 cw(c147.95,-0.202) 148.515,0 147.385,0 ; 165.385,0.001 cw(c165.95,-0.202) 166.515,0 165.385,0 ; 183.385,0.001 cw(c183.95,-0.202) 184.515,0 183.385,0 ; 201.383,0 cw(c201.95,-0.197) 202.517,0 201.383,0 ; 219.385,0 cw(c219.95,-0.202) 220.515,0 219.385,0 ; 240.785,0 cw(c241.35,-0.202) 241.915,0 240.785,0 ; 258.785,0 cw(c259.35,-0.202) 259.915,0 258.785,0 ; 276.785,0 cw(c277.35,-0.202) 277.915,0 276.785,0 ; 312.785,0 cw(c313.35,-0.202) 313.915,0 312.785,0 ; 330.785,0 cw(c331.35,-0.202) 331.915,0 330.785,0 ; 352.185,0 cw(c352.75,-0.202) 353.315,0 352.185,0 ; 370.185,0 cw(c370.75,-0.202) 371.315,0 370.185,0 ; 388.185,0 cw(c388.75,-0.202) 389.315,0 388.185,0 ; 406.194,0 cw(c406.75,-0.202) 407.306,0 406.194,0 ; 442.185,0 cw(c442.75,-0.202) 443.315,0 442.185,0

## Dimensions
345.35,12.75 to 461.301,0 on Antenna_Dimensions
461.3,16.8 to 343.35,58.688 on Antenna_Dimensions
0,16.799 to 343.35,0 on Antenna_Dimensions
18.55,-6.682 to 0,-8.281 on Antenna_Dimensions
331.35,-2.454 to 352.75,-2.339 on Antenna_Dimensions
461.3,16.799 to 380.05,30.207 on Drill_Hole_Dimensions
304.45,20.51 to 380.05,10.037 on Drill_Hole_Dimensions
156.85,10.037 to 304.45,10.037 on Drill_Hole_Dimensions
156.85,10.037 to 81.25,24.244 on Drill_Hole_Dimensions
81.25,10.037 to 0,16.799 on Drill_Hole_Dimensions
-0.006,16.8 to 0,0 on Antenna_Dimensions
129.95,-2.475 to 108.55,-2.357 on Antenna_Dimensions
18.55,-6.682 to 36.55,-1.196 on Antenna_Dimensions
442.75,-3.04 to 461.301,0 on Antenna_Dimensions
424.75,-2.501 to 442.75,-3.04 on Antenna_Dimensions
406.75,-2.434 to 424.75,-2.501 on Antenna_Dimensions
388.75,-3.127 to 406.75,11.659 on Antenna_Dimensions
370.75,-2.674 to 388.75,-3.127 on Antenna_Dimensions
352.75,-2.339 to 370.75,-2.674 on Antenna_Dimensions
313.35,-2.821 to 331.35,-2.454 on Antenna_Dimensions
295.35,-3.85 to 313.35,-2.821 on Antenna_Dimensions
277.35,-2.618 to 295.35,-3.85 on Antenna_Dimensions
259.35,-3.189 to 277.35,-2.618 on Antenna_Dimensions
241.35,-2.821 to 259.35,-3.189 on Antenna_Dimensions
219.95,-3.835 to 241.35,-2.821 on Antenna_Dimensions
201.95,-2.835 to 219.95,-3.835 on Antenna_Dimensions
183.95,-2.711 to 201.95,-2.835 on Antenna_Dimensions
165.95,-2.274 to 183.95,-2.711 on Antenna_Dimensions
147.95,-2.554 to 165.95,-2.274 on Antenna_Dimensions
129.95,-2.475 to 147.95,-2.554 on Antenna_Dimensions
90.55,-2.516 to 108.55,-2.357 on Antenna_Dimensions
72.55,-5.355 to 90.55,-2.516 on Antenna_Dimensions
54.55,-5.315 to 72.55,-5.355 on Antenna_Dimensions
36.55,-2.05 to 54.55,-5.315 on Antenna_Dimensions
0,0 to 461.3,0 on Drill_Hole_Dimensions